# Altium PCB Microcontroller Board.PcbDoc (continued)
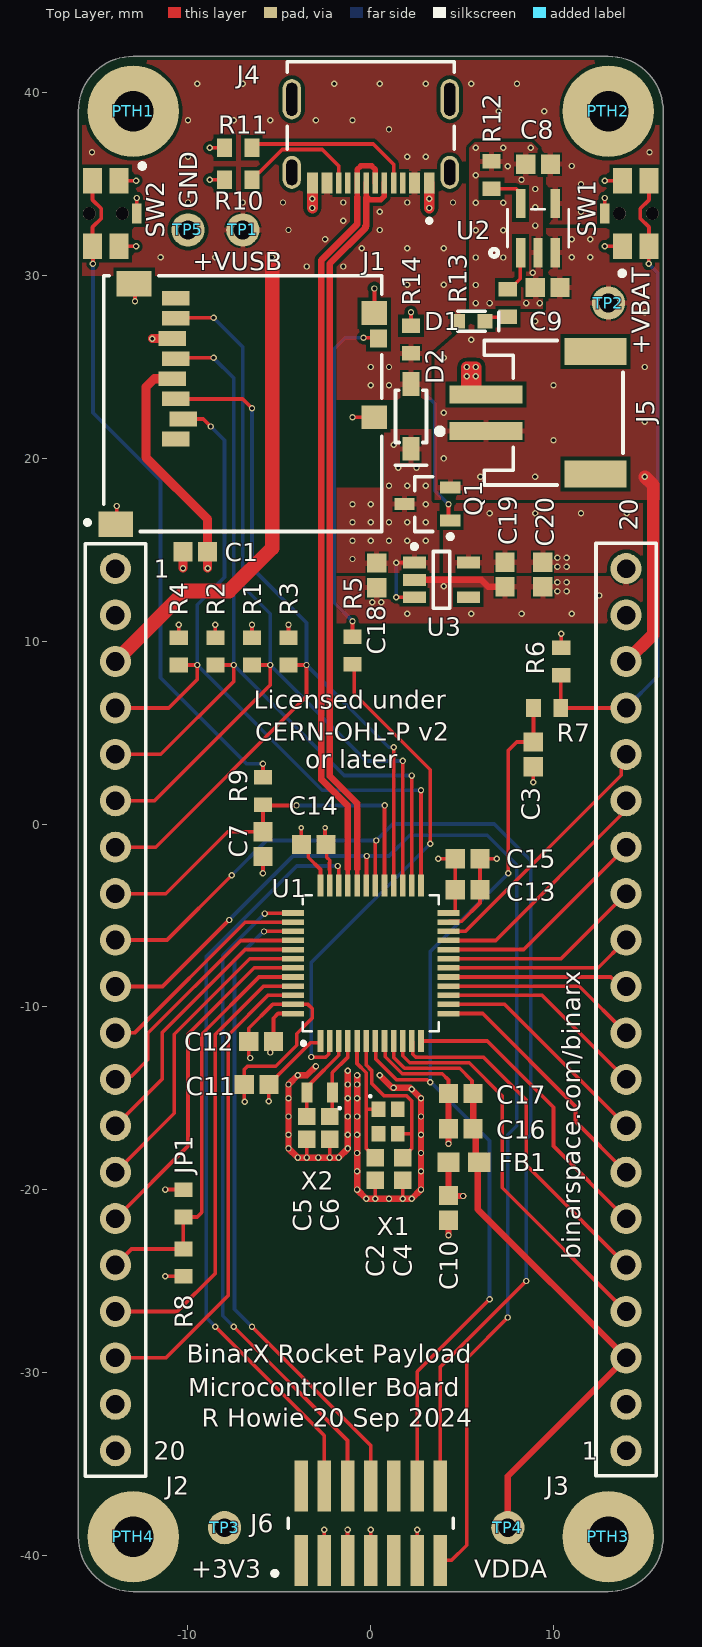
[diagram p0: Top Layer view]
## Part data
C1 C8 C9 C15 C20: library part CMP-001-00138-1, "Chip Capacitor, 10 uF, +/-10%, 16 V, 0603(1608 Metric)", Capacitor Type=Ceramic, Case/Package=0603, Max Operating Temperature=85°C, Min Operating Temperature=-55°C, Tolerance=10%, Voltage Rating=16V, Mounting Technology="Surface Mount", Pins=2, RoHS Compliant=True
C2 C4: library part CMP-001-00139-1, "Chip Capacitor, 8.2 pF, 10%, 50 V, 0603 (1608 Metric)", Capacitor Type=Ceramic, Case/Package=0603, Max Operating Temperature=125°C, Min Operating Temperature=-55°C, Tolerance=10%, Voltage Rating=50V, Created By="Robert Howie", Mounting Technology="Surface Mount", Pins=2, RoHS Compliant=Yes
C3 C7 C11 C12 C13 C14: library part CMP-00004-2, "Chip Capacitor, 100 nF, +/- 10%, 50 V, 0603 (1608 Metric)", Capacitor Type=Ceramic, Case/Package=0603, JLCPCB Part #=C913534, Manufacturer="Murata Electronics", Max Operating Temperature=125°C, MFR.Part #=GCM188R91E104KA37D, Min Operating Temperature=-55°C, Tolerance=10%, Voltage Rating=50V, Mounting Technology=SM, Package=0603, Pins=2, RoHS Compliant=True
C5 C6: library part CMP-001-00136-2, "Chip Capacitor, 3.9 pF, 10%, 50 V, 0603 (1608 Metric)", Capacitor Type=Ceramic, Case/Package=0603, JLCPCB Part #=C710676, Manufacturer="Murata Electronics", Max Operating Temperature=125°C, MFR.Part #=GCM1885C1H3R9CA16D, Min Operating Temperature=-55°C, Tolerance=10%, Voltage Rating=50V, Created By="Robert Howie", Mounting Technology="Surface Mount", Package=0603, Pins=2, RoHS Compliant=Yes
C10 C16 C18 C19: library part CMP-00009-3, "Chip Capacitor, 1 uF, +/-10%, 25 V, 0603(1608 Metric)", Capacitor Type=Ceramic, Case/Package=0603, JLCPCB Part #=C85862, Manufacturer="Murata Electronics", Max Operating Temperature=125°C, MFR.Part #=GCM188R71E105KA64D, Min Operating Temperature=-55°C, Tolerance=10%, Voltage Rating=25V, Mounting Technology=SM, Package=0603, Pins=2, RoHS Compliant=True
C17: library part CMP-001-00137-3, "Chip Capacitor, 10 nF, +/- 10%, 50 V, 0603 (1608 Metric)", Capacitor Type=Ceramic, Case/Package=0603, JLCPCB Part #=C161232, Manufacturer="Murata Electronics", Max Operating Temperature=125°C, MFR.Part #=GCM188R72A103KA37D, Min Operating Temperature=-55°C, Tolerance=10%, Voltage Rating=50V, Created By="Robert Howie", Mounting Technology="Surface Mount", Package=0603, Pins=2, RoHS Compliant=Yes
D1: library part CMP-007-00038-4, "LED Red, Diffused, 0603, 2mA"
D2: library part CMP-004-00044-1, "Rectifier Diode, Schottky, 1 Phase, 1 Element, 0.5A, 40V V(RRM), Silicon", Forward Voltage=460mV, Max Operating Temperature=150°C, Min Operating Temperature=-65°C, Pins=2, RoHS Compliant=Yes
FB1: library part CMP-00008-2, "Ferrite Bead 0603 470ohm 25% AEC-Q200", Case/Package=0603, Max Current Rating=680mA, Max Operating Temperature=150°C, Min Operating Temperature=-40°C, Ratings=AEC-Q200, Tolerance=25%, Z Measuring Frequency=100MHz, ComponentLink1Description="Manufacturer Page", ComponentLink1URL=https://ds.yuden.co.jp/TYCOMPAS/ut/detail?pn=LAMGL160808T471RD&u=M, Created By="Robert Howie", Impedance=470ohm, Mount="Surface Mount", Series=FB
J1: library part CMP-002-00147-7, "1.10mm Pitch microSD Card Connector, Push-Push Type, with VSS (Supply Voltage Ground) Detect Switch, Lead-Free", Max Operating Temperature=85°C, Min Operating Temperature=-20°C, Connector Type=PCB, Created By="Robert Howie", Mounting Technology=Board, RoHS Compliant=Yes
J2 J3: library part CMP-002-00149-8, "Board-To-Board Connector, Single, Ces Series, Through Hole, Receptacle, 20, 2.54 Mm Rohs Compliant: Yes", Max Current Rating=1A, Max Operating Temperature=105°C, Min Operating Temperature=-55°C, Voltage Rating=333V, Connector Type=Receptacle, Created By="Robert Howie", Gender=Receptacle, Mounting Technology="Through Hole", RoHS Compliant=Yes
J4: library part CMP-002-00144-10, "USB Type C - Connector, Top-mount SMT, 16pos", Max Current Rating=2.5A, Max Operating Temperature=85°C, Min Operating Temperature=-40°C, Voltage Rating=30V, ComponentLink1Description="Manufacturer's Product Page", ComponentLink1URL=https://www.molex.com/en-us/products/part-detail/2171790001, Connector Type="USB Type-C 2.0", Created By="Robert Howie", Gender=Female, Mounting Technology=SMT, Pins=16, RoHS Compliant=Yes
J5: library part CMP-002-00145-3, "Connector Header, PH Series, 2 Position, Side Entry, 2.00mm, Solder, Surface Mount, Natural"
J6: library part CMP-049-000000-6, "STDC14 for STLINK Programmer", ComponentLink1Description="Manufacturer Link", ComponentLink1URL=https://www.st.com/en/development-tools/stlink-v3mini.html#overview, Design Item ID=CMP-002-00076-5, Mounting Technology=Board, RoHS Compliant=Yes, Source=STDC14.SchLib
JP1: library part CMP-00010-5, Case/Package=0603, Max Operating Temperature=155°C, Min Operating Temperature=-55°C, Pins=2
PTH1 PTH2 PTH3 PTH4: library part CMP-00012-3, "M2 Clearance (2.2 mm) Plated Through Hole, 3.8mm Diameter Pad", Created By="Robert Howie", Pins=1
Q1: library part CMP-013-00047-1, "Small Signal Field-Effect Transistor, 3.8A I(D), 20V, 1-Element, P-Channel, Silicon, Metal-oxide Semiconductor FET with ESD Protected Gate", Case/Package=SOT23, Nominal Vgs=-1.8V, Pins=3, RoHS Compliant=Yes
R1 R2 R3 R4: library part CMP-009-00267-4, "Chip Resistor, 47 KOhm, +/- 1%, 01 W, -55 to 155 degC, 0603 (1608 Metric)", Case/Package=0603, Max Operating Temperature=155°C, Min Operating Temperature=-55°C, Power=100mW, Tolerance=1%, Voltage Rating=50V, Created By="Robert Howie", Mounting Technology="Surface Mount", Pins=2, RoHS Compliant=Yes
R5 R7 R9: library part CMP-00011-6, "Chip Resistor, 620 Ohm, +/-1%, 0.1 W, -55 to 155 degC, 0603 (1608 Metric)", Case/Package=0603, JLCPCB Part #=C403304, Manufacturer=PANASONIC, Max Operating Temperature=155°C, MFR.Part #=ERJ3EKF6200V, Min Operating Temperature=-55°C, Power=100mW, Tolerance=1%, Created By="Robert Howie", Mounting Technology=SM, Package=0603, Pins=2, RoHS Compliant=Yes
R6 R8: library part CMP-00007-7, "Chip Resistor, 10 KOhm, +/- 1%, 01 W, -55 to 155 degC, 0603 (1608 Metric)", Case/Package=0603, JLCPCB Part #=C191124, Manufacturer=PANASONIC, Max Operating Temperature=155°C, MFR.Part #=ERJ3EKF1002V, Min Operating Temperature=-55°C, Power=100mW, Tolerance=1%, Voltage Rating=50V, Mounting Technology="Surface Mount", Package=0603, Pins=2, RoHS Compliant=Yes
R10 R11 R12: library part CMP-009-00265-2, "Chip Resistor, 5.1 KOhm, +/- 1%, 0.1 W, -55 to 155 degC, 0603 (1608 Metric)", Case/Package=0603, Max Operating Temperature=155°C, Min Operating Temperature=-55°C, Power=100mW, Tolerance=1%, Created By="Robert Howie", Mounting Technology="Surface Mount", Pins=2, RoHS Compliant=Yes
R13: library part CMP-009-00268-2, "Chip Resistor, 3.3 kOhm, +/- 1%, 100 mW, -55 to 155 degC, 0603 (1608 Metric)", Case/Package=0603, Max Operating Temperature=155°C, Min Operating Temperature=-55°C, Power=100mW, Tolerance=1%, Voltage Rating=75V, Mounting Technology="Surface Mount", Pins=2, RoHS Compliant=Yes
R14: library part CMP-009-00266-2, "Chip Resistor, 100 KOhm, +/- 1%, 0.1 W, -55 to 155 degC, 0603 (1608 Metric)", Case/Package=0603, Max Operating Temperature=155°C, Min Operating Temperature=-55°C, Power=100mW, Tolerance=1%, Voltage Rating=75V, Created By="Robert Howie", Mounting Technology="Surface Mount", Pins=2, RoHS Compliant=Yes
SW1 SW2: library part CMP-011-00022-2, "Keypad Switch, 1 Switches, SPST, Momentary-tactile, 0.05A, 12VDC, 2.94N, Solder Terminal, Surface Mount-right Angle", Max Operating Temperature=85°C, Min Operating Temperature=-40°C, Created By="Robert Howie", Mounting Technology="Surface Mount", RoHS Compliant=Yes
TP1 TP2 TP3 TP4 TP5: library part CMP-097-000000-3, "Throughole Test Point", Created By="Robert Howie", Design Item ID=CMP-001-0001-5, Source="Components - 10.08.23 - 09.25.SchLib"
U1: library part CMP-104-000000-11, "Ultra-low-power with FPU Arm Cortex-M4 MCU 80 MHz with 128 Kbytes of Flash memory, USB FS, LCD", JLCPCB Part #=C5269893, Manufacturer=STMicroelectronics, Package=LQFP-48(7x7), Created By="Robert Howie", Design Item ID=STM32L433CBT7, Manufacturer_Part_Number=STM32L433CBT7, MFR.Part #=STM32L433CBT7, Mfr_Name=STMicroelectronics, RefDes=RefDes, Source=STM32L433CBT7.SchLib, Type=DEV
U2: library part CMP-106-000000-6, "Single Cell, Li-Ion/Li-Polymer Charge Management Controller", Case/Package=LSSOP, Manufacturer_Part_Number=MCP73831T-2ACI/OT, Max Operating Temperature=85°C, Max Supply Voltage=6V, Mfr_Name=Microchip, Min Operating Temperature=-40°C, Min Supply Voltage=3.75V, Copyright="Copyright (C) 2023 Ultra Librarian. All rights reserved.", Created By="Robert Howie", Design Item ID=MCP73831T-2ACIOT, Pins=5, RefDes=RefDes, RoHS Compliant=Yes, Source=MCP73831T-2ACIOT.SchLib, Type=DEV
U3: library part CMP-019-00088-3, "Fixed Positive LDO Regulator, 3.3V, 0.4V Dropout, CMOS, PDSO5", Case/Package=SOT25, Max Operating Temperature=85°C, Max Supply Voltage=6V, Min Operating Temperature=-40°C, Pins=5, RoHS Compliant=Yes
X1: library part CMP-003-00037-4, "Crystal 16MHz 10pF 4-Pin SMD ECX-1637B2 T/R", Case/Package="2.0 x 1.6 x 0.45 mm ceramic package", Frequency=16MHz, Load Capacitance=10pF, Mounting Technology=SMT, Pins=4
X2: library part CMP-003-00039-2, "Parallel - Fundamental Quartz Crystal, 0.032768MHz Nom", JLCPCB Part #=C2449827, Load Capacitance=6pF, Manufacturer=ECS, Max Operating Temperature=85°C, Min Operating Temperature=-40°C, Package=SMD2012-2P, ESR=90k, MFR.Part #=ECS-.327-6-12-TR, Mounting Technology="Surface Mount", RoHS Compliant=Yes

## Via types
v1: diameter 0.35, hole 0.2, Top Layer to Bottom Layer, tented both sides, 251 vias
v2: diameter 0.3, hole 0.15, Top Layer to Bottom Layer, tented both sides, 2 vias

## Nets (pads, with @x,y where several pads share a name; then routed paths per layer and width w, separated by ;. In a path a pad name is that pad's centre, name@x,y a point inside that pad or via, vN(x,y) a via of type N, cw(c..) or ccw(c..) an arc to the next point about the centre after c; other vN are vias at no path point)
+3V3: C1.2 C10.2 C11.2 C12.2 C13.2 C14.2 C15.2 C19.2 C20.2 FB1.1 J1.4 J2.2 J2.19 J3.2 J3.19 J6.3 JP1.2 R1.2 R2.2 R3.2 R4.2 R6.2 TP3.1 U1.1 U1.24 U1.36 U1.48 U3.5 | length 37.5
  Top Layer w0.2: v1(-11.25,-20) JP1.2 ; R4.2 v1(-10.5,10.9) ; R2.2 v1(-8.5,10.9) ; R1.2 v1(-6.5,10.9) ; v1(-5.575,-15.175) C11.2 -3.285,-11.96 -2.802,-11.96 -2.802,-11.922 U1.1 ; v1(-5.5,-12.5) -5.5,-12.075 C12.2 -5.325,-10.625 -5.07,-10.37 U1.48 ; R3.2 v1(-4.5,10.9) ; v2(-3.8,-0.2) -3.8,-1.115 C14.2 -3.42,-1.495 -3.42,-1.82 -2.75,-2.49 U1.36 ; J6.3 v1(-2.54,-38.608) ; v1(3.7,-1.9) C15.2 C13.2 4.625,-4.818 4.573,-4.87 U1.24 ; R6.2 v1(10.414,10.414)
  Top Layer w0.35: FB1.1 C10.2 4.275,-20.35 v1(5.05,-20.35)
  Top Layer w0.5: J1.4 -11.84,24.36 -12.3,23.9 -12.3,20.05 -8.925,16.675 C1.2 v1(-8.925,14)
  other v1: 10.212,14.075 10.712,14.075 10.212,14.575 10.712,14.575 6.5,17 9,17 11.5,17 14,17
+VBAT: C9.2 J3.18 J5.1 Q1.S TP2.1 U2.3 | length 10.9
  Top Layer w0.7: J3.18 15.45,10.37 15.45,18.539 v1(14.989,19)
  other v1: 6,19 8.989,19 4,20 10,21 14.989,22 4,22.5 10,24 14.989,25 4,25.5 5.5,26.5 9,27.5 15,28 11,31 12,31 11,32 12,32
+VUSB: C8.2 D1.2 D2.2 J2.3 J4.A4-B9 J4.B4-A9 Q1.G R14.2 TP1.1 U2.4 | length 34.5
  Top Layer w0.2: v1(4.25,17.5) 4.25,16.7 Q1.G
  Top Layer w0.8: J2.3 -10.11,12.75 -7.75,12.75 -5.4,15.1 v1(-5.4,31)
  Bottom Layer w0.2: 3.018,23.482 3.5,23 3.5,18.25 v1(4.25,17.5)
  other v1: 0,24 1,24 0,25 1,25 2,29.5 4,29.5 -3.5,30.5 -1.5,30.5 -11.5,31 -8.5,31 -0.5,31.5 2,31.5 4,31.5 -2.5,32 -4.5,32.5 0.5,32.5 -1.5,33 0.5,33.5 11.5,33.5 -10,34 -7,34 -4.8,34 -1.5,34 2,34 4.5,34 11.5,35 11,36 -10,36.5 2,36.5 3,36.5 -15.25,36.75 15.25,36.75 1,38 -10,38.5 -7.5,38.5 -5.5,38.5 -3,38.5 -1,38.5 7,39 9.5,39 -9.5,40.5 -7,40.5 -2,40.5 0.5,40.5 3,40.5 5.5,40.5 8,40.5
ADC1_IN5: J3.4 U1.10 | length 21.8
  Top Layer w0.2: U1.10 1.75,-12.682 2.135,-13.067 5.391,-13.067 7.2,-14.876 7.2,-19.9 J3.4
ADC1_IN6: J3.5 U1.11 | length 19.3
  Top Layer w0.2: U1.11 2.298,-11.918 2.298,-12.591 2.473,-12.767 6.167,-12.767 8.5,-15.1 8.5,-18.66 J3.5
ADC1_IN7: J3.6 U1.12 | length 16.5
  Top Layer w0.2: U1.12 6.37,-11.87 10,-15.5 10,-17.62 J3.6
ADC1_IN8: J3.7 U1.13 | length 13.8
  Top Layer w0.2: U1.13 6.12,-10.37 11.2,-15.45 11.2,-16.28 J3.7
ADC1_IN9: J3.8 U1.14 | length 12.5
  Top Layer w0.2: U1.14 7.33,-9.87 J3.8
BOOT0: J2.16 JP1.1 R8.2 U1.44 | length 23
  Top Layer w0.2: J2.16 -13.09,-23.25 R8.2 JP1.1 -9.5,-21.5 -9.25,-21.25 -9.25,-11.5 -6.12,-8.37 U1.44
DEBUG_UART_RX: J2.10 J6.13 U1.31 | length 67.8
  Top Layer w0.2: J2.10 -11.39,-8.89 v1(-7.75,-5.25) ; U1.31 -0.232,-3.352 -0.232,-1.768 v1(-0.214,-1.75) ; J6.13 4.419,-40.285 5.25,-39.454 5.25,-29.25 v1(7.5,-27)
  Bottom Layer w0.2: v1(-7.75,-5.25) -4.25,-1.75 v1(-0.214,-1.75) 1,-1.75 2.129,-0.621 6.371,-0.621 7.984,-2.234 7.984,-16.516 7.5,-17 v1(7.5,-27)
DEBUG_UART_TX: J2.9 J6.14 U1.30 | length 64.9
  Top Layer w0.2: J2.9 -11.15,-6.35 v1(-7.6,-2.8) ; U1.30@0.24,-3.36 0.24,-0.996 0.296,-0.941 v1(0.296,-0.9) ; J6.14 3.81,-29.69 v1(8.5,-25)
  Bottom Layer w0.2: v1(-7.6,-2.8) -5.7,-0.9 v1(0.296,-0.9) 1.196,0 6.75,0 8.75,-2 8.75,-17 8.5,-17.25 v1(8.5,-25)
GND: C1.1 C2.2 C3.1 C4.2 C5.1 C6.1 C7.1 C8.1 C9.1 C10.1 C11.1 C12.1 C13.1 C14.1 C15.1 C16.1 C17.2 C18.1 C19.1 C20.1 J1.6 J1.10 J1.11 J1.12 J1.13 J2.1 J2.20 J3.1 J3.20 J4.A1-B12 J4.B1-A12 J5.2 J6.5 J6.7 J6.11 R8.1 R10.1 R11.1 R12.1 R14.1 SW1.1 SW1.2 SW1.5 SW2.1 SW2.2 SW2.5 TP5.1 U1.8 U1.23 U1.35 U1.47 U2.2 U3.2 | length 142.2
  Top Layer w0.2: J1.12 -13.9,16.45 v1(-13.9,17.4) ; SW2.2 v1(-12.841,31.6) ; SW2.1 v1(-12.841,35.2) ; J1.13 -12.9,29.5 v1(-12.9,28.6) ; SW2.5 v1(-12.8,34.25) ; v1(-11.95,26.55) v1@-11.95,26.56 ; v1(-11.25,-24.75) R8.1 ; v1(-8.8,35.25) R10.1 ; v1(-8.8,37) R11.1 ; v1(-6.9,-15.2) -6.925,-15.175 -6.925,-13.425 -6.75,-13.25 -5.201,-13.25 -4.052,-12.102 -4.052,-11.469 -3.2,-10.617 -3.2,-10.1 -3.43,-9.87 U1.47 -5.37,-9.87 -6.675,-11.175 C12.1 -6.675,-12.684 -6.6,-12.759 v1(-6.6,-12.8) ; v1(-5.9,-2.7) C7.1 ; v1(-3.5,-18.25) C5.1 ; v2(-2.5,-0.2) -2.5,-1.065 C14.1 -2.412,-1.153 -2.412,-1.828 -2.25,-1.99 -2.25,-2.108 -2.254,-2.112 -2.254,-2.488 -2.25,-2.492 U1.35 ; v1(-2.25,-18.25) C6.1 ; J6.5 v1(-1.27,-38.608) ; v1(-1,22.25) J1.11 ; J6.7 v1(0,-38.608) ; J1.10 v1(0.2,29.3) ; v1(0.25,-20.5) C2.2 ; U1.8 0.798,-11.918 0.798,-12.739 1.726,-13.667 3.917,-13.667 4.25,-14 C17.2 ; v1(1.75,-20.5) C4.2 ; R14.1 v1(2.2,28) ; J6.11 v1(2.54,-38.608) ; U1.23 4.298,-5.322 4.971,-5.322 5.975,-4.319 C13.1 C15.1 v1(6.9,-1.9) ; v1(8.89,2.286) C3.1 ; v1(12.8,31.6) SW1.1 ; SW1.5 v1(12.8,34.25) ; v1(12.8,35.2) SW1.2
  Top Layer w0.35: v1(-3,-13.25) -3.5,-13.75 v1(-4,-13.75) v1(-4.5,-14.25) v1(-4.5,-15) v1(-4.5,-16) v1(-4.5,-17) v1(-4.5,-17.75) v1(-4,-18.25) v1(-3.5,-18.25) v1(-2.875,-18.25) v1(-2.25,-18.25) v1(-1.75,-18.25) v1(-1.25,-17.75) v1(-1.25,-17) v1(-1.25,-16) v1(-1.25,-15) v1(-1.25,-14.25) v1(-1.25,-13.5) ; v1(-0.75,-13.75) v1(-0.75,-14.25) v1(-0.75,-15) v1(-0.75,-16) v1(-0.75,-17) v1(-0.75,-18) v1(-0.75,-19) v1(-0.75,-20) v1(-0.25,-20.5) v1(0.25,-20.5) v1(1,-20.5) v1(1.75,-20.5) v1(2.25,-20.5) v1(2.75,-20) v1(2.75,-19) v1(2.75,-18) v1(2.75,-17) v1(2.75,-16) v1(2.75,-15) ; v1(0.5,-13.75) 1.171,-14.421 v1(1.247,-14.421) 2.154,-14.421 v1@2.733,-15 ; U3.2 6.044,13.356 6.425,12.975 C19.1 ; v1(4.25,-22.5) C10.1 ; v1(4.25,-17.5) C16.1 C17.2
  Top Layer w0.5: v1@-11.95,26.56 J1.6 ; v1(-10.275,14) C1.1
  Top Layer w0.6: v1(-3.2,33.7) v1(-3.2,34.2) J4.B1-A12 ; v1(3.2,33.7) v1(3.2,34.2) J4.A1-B12 ; J5.2@5.25,23.5 5.25,25 v1(5.26,25) v1(5.75,25) 5.76,25 J5.2@5.76,23.5
  GND w0.35: -2,-11.055 -2,-12.248 -3,-13.248 v1(-3,-13.25) -3.5,-13.75 v1(-4,-13.75) v1(-4.5,-14.25) v1(-4.5,-15) v1(-4.5,-16) v1(-4.5,-17) v1(-4.5,-17.75) v1(-4,-18.25) v1(-3.5,-18.25) v1(-2.875,-18.25) v1(-2.25,-18.25) v1(-1.75,-18.25) v1(-1.25,-17.75) v1(-1.25,-17) v1(-1.25,-16) v1(-1.25,-15) v1(-1.25,-14.25) v1(-1.25,-13.5) -1.25,-11.032 ; -0.75,-11 v1(-0.75,-14.25) v1(-0.75,-15) v1(-0.75,-16) v1(-0.75,-17) v1(-0.75,-18) v1(-0.75,-19) v1(-0.75,-20) v1(-0.25,-20.5) v1(0.25,-20.5) v1(1,-20.5) v1(1.75,-20.5) v1(2.25,-20.5) v1(2.75,-20) v1(2.75,-19) v1(2.75,-18) v1(2.75,-16) v1(2.75,-15) ; 0,-11 0,-13.25 v1(0.5,-13.75) 1.171,-14.421 v1(1.247,-14.421) 2.154,-14.421 v1@2.733,-15
  other v1: 2.239,-14.506 2,11.5 5.5,11.5 8.25,11.5 11,11.5 0.075,12.125 0.575,12.125 12.5,12.5 10.212,12.725 10.712,12.725 4,13 10.212,13.225 10.712,13.225 5.26,24.5 5.75,24.5 5.75,28.5 6.5,28.5 8.5,28.5 9.25,28.5 5.746,29.491 8.871,30.166 5.746,30.991 7.246,30.991 5.746,32.491 7.246,32.491 8.996,32.741 8.996,33.741 5.746,33.991 7.246,33.991 8.996,34.741 8.246,35.241 5.746,35.491 7.496,35.991 5.746,36.991 7.246,36.991 8.746,36.991
I2C1_SCL: J2.14 U1.42 | length 17.1
  Top Layer w0.2: J2.14 -10.75,-15.83 -10.75,-11.5 -6.62,-7.37 U1.42
I2C1_SDA: J2.15 U1.43 | length 19
  Top Layer w0.2: J2.15 -10,-17.62 -10,-11.5 -6.37,-7.87 U1.43
LPUART1_RX: J3.15 U1.21 | length 13.2
  Top Layer w0.2: U1.21 6.838,-6.37 13.738,0.53 13.738,1.038 J3.15
LPUART1_TX: J3.16 U1.22 | length 14.3
  Top Layer w0.2: U1.22 5.179,-5.87 13.709,2.66 13.709,3.549 J3.16
NetC2_1: C2.1 U1.5 X1.1 | length 7.5
  Top Layer w0.2: U1.5 -0.75,-13.108 -0.254,-13.604 -0.254,-15.596 -0.25,-15.6 ; C2.1 -0.25,-17.75 -0.25,-15.6 ; X1.1 -0.25,-15.6
NetC4_1: C4.1 U1.6 X1.3 | length 9.1
  Top Layer w0.2: U1.6 -0.25,-13.184 0.046,-13.48 0.046,-14.188 0.733,-14.875 1.008,-14.875 1.436,-14.875 1.974,-14.875 2.249,-15.15 2.249,-16.95 2.249,-17.751 C4.1 ; X1.3 2.233,-16.95
NetC5_2: C5.2 U1.3 X2.2 | length 4.9
  Top Layer w0.2: C5.2 X2.2 -3.3,-14.5 -3.3,-14.2 -1.747,-12.647 -1.747,-11.873 U1.3
NetC6_2: C6.2 U1.4 X2.1 | length 4.5
  Top Layer w0.2: C6.2 -2.1,-15.85 -2.1,-13.6 -1.25,-12.75 U1.4
NetC18_2: C18.2 D2.1 Q1.D U3.1 U3.3 | length 3.9
  Top Layer w0.2: v1(1.4,12.4) 2.385,12.4 U3.3 ; v1(1.4,14.3) 2.385,14.3 U3.1
  Bottom Layer w0.2: v1(1.4,12.4) v1(1.4,14.3)
  other v1: -1,14.5 -1,15.5 0,15.5 1,15.5 2,15.5 3,15.5 -1,16.5 0,16.5 1,16.5 2,16.5 3,16.5 -1,17.5 0,17.5 3,17.5 1,18.5 2,18.5 3,18.5 1.5,19.5 2.5,19.5 1.25,20.75
NetD1_1: D1.1 R13.1 | length 1.4
  Top Layer w0.2: D1.1 6.478,27.728 7.478,27.728 R13.1
NetJ1_9: J1.9 R5.1 | length 18.9
  Top Layer w0.2: R5.1 v1(-1,11.1) ; v1(-0.4,26.6) 0.385,26.6 J1.9
  Bottom Layer w0.2: v1(-1,11.1) -2,12.1 -2,26 -1.4,26.6 v1(-0.4,26.6)
NetJ4_A5: J4.A5 R11.2 | length 9.3
  Top Layer w0.2: R11.2 -6.3,37.2 0.141,37.2 1.25,36.091 J4.A5
NetJ4_B5: J4.B5 R10.2 | length 6.7
  Top Layer w0.2: R10.2 -4.85,36.9 -2.65,36.9 -1.75,36 J4.B5
NetR9_1: R9.1 SW2.3 SW2.4 | length 37.4
  Top Layer w0.2: SW2.3 -15.225,34.144 -14.75,33.669 -14.75,33.131 -15.225,32.656 SW2.4 -15.2,31.575 v1(-15.2,30.65) ; R9.1 v1(-5.9,3.3)
  Bottom Layer w0.2: v1(-15.2,30.65) -15.2,22.5 -11.5,18.8 -11.5,8 -6.8,3.3 v1(-5.9,3.3)
NetR12_2: R12.2 U2.5 | length 2.3
  Top Layer w0.2: R12.2 7.946,34.75 8.2,34.496 U2.5
NetR13_2: R13.2 U2.1 | length 2.4
  Top Layer w0.2: R13.2 7.6,29.25 8.175,29.825 8.175,30.55 8.2,30.575 U2.1
NRST: C3.2 J6.12 R7.2 U1.7 | length 52.9
  Top Layer w0.2: U1.7 0.274,-11.894 0.274,-12.857 1.417,-14 3.089,-14 3.209,-14.121 v1(3.25,-14.121) ; J6.12 2.54,-29.96 v1(6.5,-26) ; v1(7.53,-2.697) 7.53,4.03 7.985,4.485 C3.2 8.902,4.497 R7.2
  Bottom Layer w0.2: v1(3.25,-14.121) 3.25,-6.977 v1(7.53,-2.697) ; v1@3.299,-14.129 6.5,-17.33 v1(6.5,-26)
PA15: J2.11 U1.38 | length 12.2
  Top Layer w0.2: J2.11 -12.93,-11.43 -6.87,-5.37 U1.38
PB1: J3.13 U1.19 | length 11.2
  Top Layer w0.2: U1.19 10.41,-7.37 J3.13
PB2: J3.14 U1.20 | length 12
  Top Layer w0.2: U1.20 8.37,-6.87 J3.14
PB4: J2.12 U1.40 | length 13.7
  Top Layer w0.2: J2.12 -13.809,-13.809 -13.109,-13.809 -12.2,-12.9 -12.2,-11.45 -7.12,-6.37 U1.40
PB5: J2.13 U1.41 | length 15.2
  Top Layer w0.2: J2.13 -11.4,-13.94 -11.4,-11.4 -6.87,-6.87 U1.41
PB8: J2.17 U1.45 | length 24.8
  Top Layer w0.2: J2.17 -10.596,-26.67 -8.5,-24.574 -8.5,-11.5 -5.87,-8.87 U1.45
PB9: J2.18 U1.46 | length 26.3
  Top Layer w0.2: J2.18 -11.21,-29.21 -7.8,-25.8 -7.8,-11.551 -5.619,-9.37 U1.46
RESET_SW: J3.17 R6.1 R7.1 SW1.3 SW1.4 | length 35.5
  Top Layer w0.2: R6.1 10.402,8.128 R7.1 J3.17 ; v1(15.2,30.65) 15.2,31.575 SW1.3 15.225,32.656 14.75,33.131 14.75,33.669 15.225,34.144 SW1.4
  Bottom Layer w0.2: J3.17 15.7,8.08 15.7,30.15 v1(15.2,30.65)
SPI1_CS: J3.12 U1.18 | length 10.3
  Top Layer w0.2: U1.18 12.45,-7.87 J3.12
SPI1_PICO: J3.11 U1.17 | length 9.9
  Top Layer w0.2: U1.17 13.123,-8.37 13.643,-8.89 J3.11
SPI1_POCI: J3.10 U1.16 | length 10.8
  Top Layer w0.2: U1.16 11.41,-8.87 J3.10
SPI1_SCK: J3.9 U1.15 | length 11.6
  Top Layer w0.2: U1.15 9.37,-9.37 J3.9
SPI2_CS: J1.2 J2.4 R4.1 U1.25 | length 42.9
  Top Layer w0.2: J2.4 -11.05,6.35 -9.5,7.9 v1(-9.5,8.7) R4.1 ; J1.2 -9.16,22.16 v1(-8.75,21.75) ; U1.25 v1(2.75,1.85)
  Bottom Layer w0.2: v1(-8.75,21.75) -8,21 -8,13.5 -9.5,12 v1(-9.5,8.7) -2.65,1.85 v1(2.75,1.85)
SPI2_PICO: J1.3 J2.7 R3.1 U1.28 | length 50.4
  Top Layer w0.2: J2.7 -11.77,-1.27 -3.515,6.985 v1(-3.515,8.7) R3.1 ; J1.3 -10.65,23.25 -7,23.25 v1(-6.5,22.75) ; U1.28 v1(1.25,4.2)
  Bottom Layer w0.2: v1(-6.5,22.75) -6.5,14 -3.515,11.015 v1(-3.515,8.7) 0.982,4.203 1.247,4.203 v1(1.25,4.2)
SPI2_POCI: J1.7 J2.6 R1.1 U1.27 | length 51.8
  Top Layer w0.2: J2.6 -11.83,1.27 -5.5,7.6 v1(-5.5,8.7) R1.1 ; J1.7 -10.62,27.7 v1(-8.6,27.7) ; U1.27 v1(1.75,3.45)
  Bottom Layer w0.2: v1(-8.6,27.7) -7,26.1 -7,13 -5.5,11.5 v1(-5.5,8.7) -0.25,3.45 v1(1.75,3.45)
SPI2_SCK: J1.5 J2.5 R2.1 U1.26 | length 47.6
  Top Layer w0.2: J2.5 -11.49,3.81 -7.5,7.8 v1(-7.5,8.7) R2.1 ; J1.5 -10.62,25.5 v1(-8.6,25.5) ; U1.26 v1(2.25,2.65)
  Bottom Layer w0.2: v1(-8.6,25.5) -7.5,24.4 v1(-7.5,8.7) -1.45,2.65 v1(2.25,2.65)
SWCLK: J6.6 U1.37 | length 36.7
  Top Layer w0.2: v1(-7.5,-27.5) -1.27,-33.73 J6.6 ; v1(-5.8,-4.9) -5.785,-4.885 -4.265,-4.885 U1.37
  Bottom Layer w0.2: v1(-7.5,-27.5) -8.1,-26.9 -8.1,-7.2 v1(-5.8,-4.9)
SWDIO: J6.4 U1.34 | length 42
  Top Layer w0.2: v1(-8.5,-27.5) -2.54,-33.46 J6.4 ; v1(-1.8,-2.3) -1.75,-2.35 U1.34
  Bottom Layer w0.2: v1(-8.5,-27.5) -9,-27 -9,-7.25 -4.05,-2.3 v1(-1.8,-2.3)
SWO: J6.8 U1.39 | length 35.7
  Top Layer w0.2: v1(-6.5,-27.5) 0,-34 J6.8 ; v1(-5.84,-5.879) -5.831,-5.87 U1.39
  Bottom Layer w0.2: v1(-6.5,-27.5) -7.454,-26.546 -7.454,-7.468 -5.865,-5.879 v1(-5.84,-5.879)
USB_D_N: J4.A7 J4.B7 U1.32 | length 41.7
  Top Layer w0.25: U1.32 -0.75,-2.456
  Top Layer w0.3: J4.A7 -0.25,34.355 -0.197,34.303 ; -0.219,34.281 -0.197,34.303 ; J4.B7 0.75,34.562 0.75,34.355 0.545,34.15 -0.045,34.15 -0.197,34.303
  Top Layer w0.36: -0.75,-2.456 -0.75,1.136 -2.24,2.626 -2.24,30.661 -0.29,32.611 -0.29,32.705 -0.25,32.745 -0.25,34.25 -0.219,34.281
USB_D_P: J4.A6 J4.B6 U1.33 | length 42.5
  Top Layer w0.25: U1.33 -1.25,-2.454
  Top Layer w0.3: -0.75,34.278 J4.B6 -0.75,35.795 -0.545,36 0.045,36 0.25,35.795 J4.A6
  Top Layer w0.36: -1.25,-2.454 -1.25,0.986 -2.565,2.301 -2.7,2.436 -2.7,30.852 -0.75,32.802 -0.75,34.278
uSD_CD: R5.2 U1.2 | length 27.7
  Top Layer w0.2: v1(-3.25,-12.75) -3.233,-12.767 -2.473,-12.767 -2.298,-12.591 -2.298,-11.918 U1.2 ; R5.2 -0.9,8.65 -0.9,7.125 3.25,2.975 v1(3.25,-1.075)
  Bottom Layer w0.2: v1(-3.25,-12.75) -3.25,-7.575 v1(3.25,-1.075)
USER_SW: C7.2 J2.8 R9.2 U1.29 | length 22
  Top Layer w0.2: J2.8 -11.21,-3.81 -7.825,-0.425 C7.2 R9.2 -5.866,1.016 v1(-4.064,1.016) ; U1.29 0.75,1.004 v1(0.762,1.016)
  Bottom Layer w0.2: v1(-4.064,1.016) v1(0.762,1.016)
VDDA: C16.2 C17.1 FB1.2 J3.3 TP4.1 U1.9 | length 36.5
  Top Layer w0.2: U1.9 1.25,-12.767 1.85,-13.367 4.867,-13.367 5.542,-14.042 5.542,-14.692 C17.1
  Top Layer w0.35: C17.1 C16.2 5.75,-16.825 5.75,-18.39 FB1.2@5.86,-18.5 ; FB1.2@5.75,-18.485 5.915,-18.485 FB1.2 ; FB1.2@5.847,-18.583 5.847,-21.087 J3.3 7.5,-35.68 TP4.1
pads on no net: J1.1 J1.8 J4.1 J4.2 J4.3 J4.4 J4.A8 J4.B8 J5.MNT1 J5.MNT2 J6.1 J6.2 J6.9 J6.10 PTH1.1 PTH2.1 PTH3.1 PTH4.1 SW1. SW2. U3.4 X1.2 X1.4

## Polygon pours and split planes (outlines as drawn)
+VUSB on Top Layer "+VUSB_L01_P028" (solid, remove dead copper, pour order 28): -2,23.2 -2,30 -16,30 -16,42 16,42 16,23.2
GND on Top Layer "GND_L01_P016" (solid, pour order 16): 5.4,37 5.7,37.3 8.8,37.3 9.4,36.7 9.4,28.2 5.4,28.2
+VBAT on Top Layer "+VBAT_L01_P017" (solid, pour order 17): 3.5,25.741 6.352,28.2 9.4,28.2 9.4,32.6 16,32.6 16,17.75 3.5,17.75
NetC18_2 on Top Layer "NETC18_2_L01_P018" (solid, pour order 18): -2.25,18.4 0.75,18.4 0.75,21.6 3.75,21.6 3.75,13.75 -2.25,13.75
GND on Top Layer "GND_L01_P022" (solid, pour order 22): -2.256,13.55 15.994,13.55 15.994,10.984 -2.256,10.984
+3V3 on Top Layer "+3V3_L01_P027" (solid, pour order 27): 3.9,17.6 16,17.6 16,13.5 3.9,13.5
+VBAT on Bottom Layer "+VBAT_L04_P019" (solid, pour order 19): 3.5,25.741 6.352,28.2 9.4,28.2 9.4,32.6 16,32.6 16,17.75 3.5,17.75
+VUSB on Bottom Layer "+VUSB_L04_P030" (solid, pour order 30): -16,42 16,42 16,23.2 -1.918,23.2 -2,30 -16,30
GND on Bottom Layer "GND_L04_P021" (solid, remove dead copper, pour order 21): -2.25,13.525 16,13.525 16,11 -2.25,11
NetC18_2 on Bottom Layer "NETC18_2_L04_P032" (solid, remove dead copper, pour order 32): -2.25,18.4 0.75,18.4 0.75,21.6 3.75,21.6 3.75,13.75 -2.25,13.75
GND on Bottom Layer "GND_L04_P020" (solid, pour order 20): 5.4,37 5.7,37.3 8.8,37.3 9.4,36.7 9.4,28.2 5.4,28.2
+3V3 on Bottom Layer "+3V3_L04_P023" (solid, pour order 23): 3.9,17.6 16,17.6 16,13.5 3.9,13.5
+3V3 on +3V3 "+3V3_L03_P015" (solid, remove dead copper, pour order 15): -16,42 -16,-42 16,-42 16,42
GND on GND "GND-GND" (solid, remove dead copper, pour order 38): -16.153,-42.044 15.847,-42.044 15.847,41.956 -16.153,41.956

## Other copper
GND:
  pour cut-out: -2.25,-11 -2.25,-12.15 -3.6,-13.5 -4.091,-13.5 -4.75,-14.151 -4.75,-17.875 -4.125,-18.5 -1.625,-18.5 -1,-17.875 -1,-20.125 -0.35,-20.775 2.35,-20.775 3,-20.125 3,-14.9 2.28,-14.18 1.28,-14.18 0.25,-13.15 0.25,-11 0,-11 0,-13.25 1.24,-14.455 2.205,-14.455 2.75,-15 2.75,-20 2.25,-20.5 -0.25,-20.5 -0.75,-20 -0.75,-11 -1.25,-11 -1.25,-17.75 -1.75,-18.25 -4,-18.25 -4.5,-17.75 -4.5,-14.25 -4,-13.75 -3.5,-13.75 -2,-12.25 -2,-11
+3V3:
  pour cut-out: -2.25,-11 -2.25,-12.15 -3.6,-13.5 -4.091,-13.5 -4.75,-14.151 -4.75,-17.875 -4.125,-18.5 -1.625,-18.5 -1,-17.875 -1,-20.125 -0.35,-20.775 2.35,-20.775 3,-20.125 3,-14.9 2.28,-14.18 1.28,-14.18 0.25,-13.15 0.25,-11 0,-11 -0.75,-11

## Silkscreen, mask and mechanical layers (free items; w line width, h text height)
Top Overlay:
  text "GND" at -9.5,33.667 h1 r90
  text "+VUSB" at -9.733,30.3 h1
  text "+VBAT" at 15.25,25.667 h1 r90
  text "Licensed under" at -6.415,6.3 h1
  text "CERN-OHL-P v2" at -6.331,4.55 h1
  text "or later" at -3.582,3.05 h1
  text "binarspace.com/binarx" at 11.45,-23.8 h1 r90
  text "BinarX Rocket Payload" at -10.08,-29.467 h1
  text "Microcontroller Board" at -9.997,-31.3 h1
  text "R Howie 20 Sep 2024" at -9.247,-32.967 h1
  text "+3V3" at -9.833,-41.25 h1
  text "VDDA" at 5.667,-41.25 h1
Board Outline:
  the board outline again, w0.254
Pin Labels:
  text "USER SW" at -23.865,32.9 h1
  text "RESET SW" at 17.2,32.9 h1
  text "USD_CD" at -22.375,22.443 h1
  text "GND" at -19.376,13.47 h1
  text "GND" at 16.71,13.47 h1
  text "+3V3" at -20.375,10.93 h1
  text "+3V3" at 16.71,10.93 h1
  text "+VUSB" at -21.375,8.39 h1
  text "+VBAT" at 16.71,8.39 h1
  text "SPI2_CS" at -23.208,5.933 h1
  text "RESET_SW" at 16.71,5.933 h1
  text "SPI2_SCK" at -24.208,3.393 h1
  text "LPUART1_TX" at 16.71,3.393 h1
  text "SPI2_POCI" at -24.874,0.853 h1
  text "LPUART1_RX" at 16.71,0.853 h1
  text "SPI2_PICO" at -25.041,-1.687 h1
  text "PB2" at 16.71,-1.77 h1
  text "USER_SW" at -23.375,-4.227 h1
  text "PB1" at 16.71,-4.31 h1
  text "DEBUG_UART_TX" at -29.373,-6.767 h1
  text "SPI1_CS" at 16.71,-6.767 h1
  text "DEBUG_UART_RX" at -29.373,-9.307 h1
  text "SPI1_PICO" at 16.71,-9.307 h1
  text "SPI1_POCI" at 16.71,-11.847 h1
  text "PA15" at -20.209,-11.93 h1
  text "SPI1_SCK" at 16.71,-14.387 h1
  text "PB4" at -19.376,-14.47 h1
  text "ADC1_IN9" at 16.71,-16.927 h1
  text "PB5" at -19.376,-17.01 h1
  text "I2C1_SCL" at -24.041,-19.467 h1
  text "ADC1_IN8" at 16.71,-19.467 h1
  text "I2C1_SDA" at -24.041,-22.007 h1
  text "ADC1_IN7" at 16.71,-22.007 h1
  text "ADC1_IN6" at 16.71,-24.547 h1
  text "BOOT0" at -21.375,-24.63 h1
  text "ADC1_IN5" at 16.71,-27.087 h1
  text "PB8" at -19.376,-27.17 h1
  text "PB9" at -19.376,-29.71 h1
  text "VDDA" at 16.71,-29.71 h1
  text "+3V3" at -20.375,-32.25 h1
  text "+3V3" at 16.71,-32.25 h1
  text "GND" at -19.376,-34.79 h1
  text "GND" at 16.71,-34.79 h1
Arduino Pin Labels (Mech12):
  text "NRST" at 28.14,32.9 h1
  text "GND" at -33.346,13.47 h1
  text "GND" at 28.14,13.47 h1
  text "3V3" at -33.346,10.93 h1
  text "3V3" at 28.14,10.93 h1
  text "VUSB" at -34.345,8.39 h1
  text "VBAT" at 28.14,8.39 h1
  text "D2" at -32.346,5.85 h1
  text "NRST" at 28.14,5.85 h1
  text "D3" at -32.346,3.31 h1
  text "D1" at 28.14,3.31 h1
  text "D4" at -32.346,0.77 h1
  text "D0" at 28.14,0.77 h1
  text "D5" at -32.346,-1.77 h1
  text "D16" at 28.14,-1.77 h1
  text "D6" at -32.346,-4.31 h1
  text "A9" at 28.14,-4.31 h1
  text "D7" at -32.346,-6.85 h1
  text "A8" at 28.14,-6.85 h1
  text "D8" at -32.346,-9.39 h1
  text "A7" at 28.14,-9.39 h1
  text "D9" at -32.346,-11.93 h1
  text "A6" at 28.14,-11.93 h1
  text "D10" at -33.179,-14.47 h1
  text "A5" at 28.14,-14.47 h1
  text "D11" at -32.846,-17.01 h1
  text "A4" at 28.14,-17.01 h1
  text "D12" at -33.179,-19.55 h1
  text "A3" at 28.14,-19.55 h1
  text "D13" at -33.179,-22.09 h1
  text "A2" at 28.14,-22.09 h1
  text "BOOT0" at -35.345,-24.63 h1
  text "A1" at 28.14,-24.63 h1
  text "D14" at -33.179,-27.17 h1
  text "A0" at 28.14,-27.17 h1
  text "D15" at -33.179,-29.71 h1
  text "VDDA" at 28.14,-29.71 h1
  text "3V3" at -33.346,-32.25 h1
  text "3V3" at 28.14,-32.25 h1
  text "GND" at -33.346,-34.79 h1
  text "GND" at 28.14,-34.79 h1

## Dimensions
-16,42 to -16,-42 on Mechanical 1
-13,-39 to -13,39 on Mechanical 1
-13,-39 to 13,-39 on Mechanical 1
-16,-42 to 16,-42 on Mechanical 1

## Text inside footprints (layer, text, board x,y; h text height)
J2: Top Overlay "1" at -11.865,13.47 h1; Top Overlay "20" at -11.865,-34.79 h1; Mechanical 13 "1" at -14.605,17.06 h1.27 r270; Mechanical 13 "20" at -14.605,-36.351 h1.27 r270
J3: Top Overlay "1" at 11.532,-34.79 h1; Top Overlay "20" at 14.605,16.031 h1 r90; Mechanical 13 "1" at 14.605,-37.38 h1.27 r90; Mechanical 13 "20" at 14.605,16.031 h1.27 r90
U2: Mechanical 13 "*" at 8.784,31.635 h1 r90